# Altium PCB PCBmain.PcbDoc (part 2 of 2)
Units mil, origin at the board's own origin, x right, y up, seen from the top; angles counter-clockwise.
Board outline 4323.44 x 2625 mil, 2 copper layers (Top Layer, Bottom Layer); 89 components, 94 nets, 579 pads, 148 vias.
Unrouted connection lines stored in the file: 36.
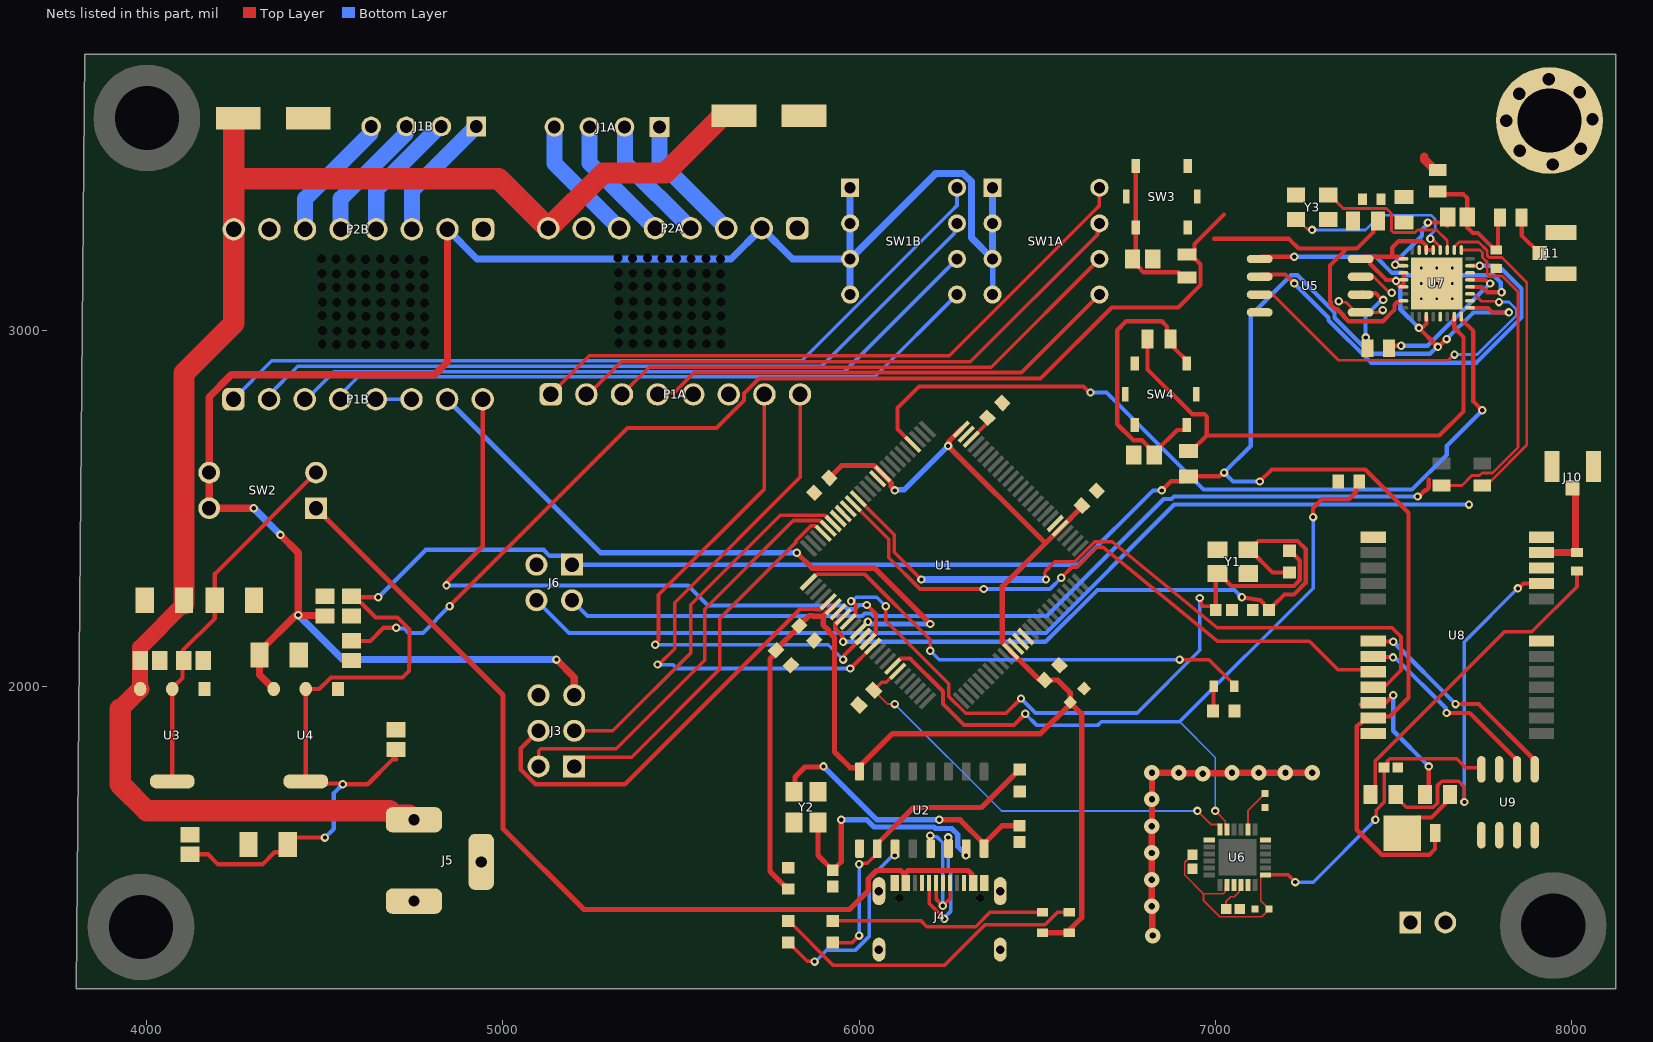
[diagram p2: the nets of this part, all layers, seen from the top]

## Via types
v1: diameter 23.62, hole 11.81, Top Layer to Bottom Layer, tented both sides, 90 vias
v2: diameter 50, hole 35, Top Layer to Bottom Layer, tented both sides, 32 vias
v3: diameter 43.31, hole 17.72, Top Layer to Bottom Layer, tented both sides, 13 vias
v4: diameter 19.68, hole 7.87, Top Layer to Bottom Layer, 13 vias

## Nets (pads, with @x,y where several pads share a name; then routed paths per layer and width w, separated by ;. In a path a pad name is that pad's centre, name@x,y a point inside that pad or via, vN(x,y) a via of type N, cw(c..) or ccw(c..) an arc to the next point about the centre after c; other vN are vias at no path point) (continued)
3V3: C20.1 C21.2 C22.2 C23.2 D1.2 J6.1 R11.1 R16.1 U4.2 U4.4 U5.8 U7.1 U7.3 U7.4 U7.5 U7.11 U7.17 U7.29 U7.30 U8.23 | length 8545.8
  Top Layer w11.81: C21.2@4120.6,1528.26 4171.74,1528.26 4200,1500 4325,1500 4359.12,1534.12 4375.83,1534.12 4395.6,1553.9 C20.1@4395.6,1555.82 4414.78,1575 v1(4500,1575) ; C23.2@4575,2252.56 C23.2@4577.56,2250 ; v1(4650,2250) C23.2@4577.56,2250 ; 4700,1794.85 4690.13,1794.85 4620.28,1725 v1(4550,1725) 4547.74,1727.26 4451.98,1727.26 U4.4@4446.3,1732.94 U4.2@4446.3,1992.39 4484.09,1992.39 4516.71,2025 4718.08,2025 4735.75,2042.67 4735.75,2060.75 4737.48,2062.48 4737.48,2159.64 4703.73,2193.38 4642.71,2193.38 4599.28,2236.81 4590.75,2236.81 C23.2@4577.56,2250 ; v1(6850,2550) 6875.79,2575.79 6911.22,2575.79 R11.1@6925,2589.57 7011.37,2589.57 7021.8,2600 v1(7025,2600) ; v1(7125,2575) 7159.06,2609.06 7421.33,2609.06 7542.89,2487.49 7542.89,1967.89 7490.13,1915.13 7465.07,1915.13 7460.37,1910.43 U8.23@7443.9,1910.43 ; U5.8@7408.46,3200 7429.87,3200 7435.33,3194.54 7435.33,3185.85 7480.59,3140.59 7505.69,3140.59 7507.85,3142.75 7510.11,3140.49 7510.11,3131.27 7519.71,3121.67 U7.5@7528.67,3121.67 U7.4@7528.67,3141.36 U7.3@7528.67,3161.05 ; U5.8@7413.78,3206.52 7426.21,3206.52 7493.87,3206.52 ; U8.23@7443.9,1910.75 7424.21,1910.75 7407.56,1894.09 7403.95,1894.09 7397.56,1887.71 7397.56,1597.25 7467.89,1526.92 7601.92,1526.92 7617.68,1542.68 D1.2@7617.68,1587.82 ; U7.1@7528.67,3200.42 7521.78,3200.42 7515.68,3206.52 7493.87,3206.52 ; U7.11@7592.65,3038.01 7593.51,3037.15 7593.51,3018.51 7583.78,3008.78 7574.31,3008.78 v1(7572.05,3006.52) v1@7620.69,2957.88 ; U7.29@7612.34,3225.02 U7.30@7592.65,3225.02 7591.67,3226.01 7591.67,3237.56 7579.52,3249.71 7515.24,3249.71 7497.05,3231.52 7497.05,3209.7 7493.87,3206.52 ; v1@7625.61,2957.88 7627.26,2956.23 7630.05,2956.23 7648.83,2975 v1(7650,2975) ; U7.17@7715.68,3062.62 7765.88,3062.62 7778.5,3050 v1(7825,3050)
  Bottom Layer w11.81: v1(4500,1575) 4525,1600 4525,1700 v1(4550,1725) ; v1(4650,2250) 4783.21,2383.21 5114.33,2383.21 5131.14,2366.4 5168.9,2366.4 J6.1@5193.9,2341.4 6616.4,2341.4 6825,2550 v1(6850,2550) ; v1(7125,2575) 7050,2575 v1(7025,2600) 7100,2675 7100,3041.6 7212.64,3154.23 7231.46,3154.23 7335.28,3050.41 7335.28,3034.93 7436.41,2933.8 7603.26,2933.8 7622.41,2952.95 v1(7625.61,2952.95) ; v1(7507.85,3138.33) 7507.85,3135.13 7519.76,3123.22 7519.76,3058.8 v1(7572.05,3006.52) ; v1(7650,2975) 7725,3050 v1(7825,3050)
6P: U1.15 U8.21 | length 2005.9
  Top Layer w10: U1.15@5999.51,2524.51 6098.81,2425.21 6098.81,2376.19 v1(6175,2300) ; v1(6525,2300) 6520.86,2313.02 6520.86,2317 6525,2325 6547.07,2347.07 6550,2350 6553.99,2350 6605.62,2350 6661.6,2405.98 6711.05,2405.98 7005.56,2164.23 7496.55,2164.23 7499.48,2161.3 7521.81,2138.97 7521.81,2044.89 7468.85,1991.92 U8.21@7433.08,1991.92
  Bottom Layer w20: v1(6175,2300) v1(6525,2300)
7P: U1.16 U8.20 | length 1776.6
  Top Layer w10: U1.16@5983.26,2512.92 6083.28,2412.9 6083.28,2360.87 6170.97,2273.19 v1(6350,2273.19) ; v1(6567.52,2304.65) 6597.87,2335 6611.83,2335 6667.81,2390.98 6680.58,2390.98 6684.15,2390.98 7005.78,2126.96 7264.58,2126.93 7267.5,2124.01 7344.98,2046.53 U8.20@7453.47,2046.53
  Bottom Layer w10: v1(6350,2273.19) 6536.05,2273.19 v1(6567.52,2304.65)
8P: U1.17
9P: U1.18
13P: LED1.1 U1.26 | length 1354.8
  Top Layer w10: U1.26@5857.98,2292.99 5859.27,2292.99 5880.4,2314.13 6016.72,2314.13 6200,2130.85 v1(6200,2100) ; v1(6900,2075) 6982.48,2075 7053.54,2003.94 LED1.1@7053.54,2000
  Bottom Layer w10: v1(6200,2100) 6225,2075 v1(6900,2075)
14P: U1.64
15P: U1.63
45P: P1A.8 U1.39 | length 1561.7
  Top Layer w10: v1(5434.07,2061.08) 5437.72,2061.08 5481.92,2105.28 5481.92,2234.55 5834.2,2586.83 P1A.8@5834.2,2819.74 ; v1(5975,2050) 5975.95,2050 6037.99,2112.04 U1.39@6038.94,2112.04
  Bottom Layer w10: v1(5434.07,2061.08) 5476.8,2061.08 5487.89,2050 v1(5975,2050)
46P: P1B.8 U1.38 | length 1900.6
  Top Layer w11.81: v1(4841.34,2283.26) 4843.6,2285.52 4843.6,2293.6 4943.15,2393.15 P1B.8@4943.15,2806 ; v1(6021.44,2228.19) 6021.81,2228.19 6047.06,2202.94 6047.06,2191.42 6047.58,2190.9 6047.58,2172.08 6047.06,2171.55 6047.06,2148 U1.38@6025.02,2125.96
  Bottom Layer w11.81: v1(4841.34,2283.26) 4841.38,2283.21 5520.08,2283.21 5576.01,2227.28 5957.1,2227.28 5968.1,2216.29 5986.92,2216.29 5999.19,2228.56 6021.06,2228.56 v1(6021.44,2228.19)
47P: P1A.7 U1.37 | length 1463.2
  Top Layer w10: v1(5427.35,2116.79) 5427.35,2120.04 5436.76,2129.46 5436.76,2256.81 5734.2,2554.24 P1A.7@5734.2,2819.74 ; v1(5955.2,2075) 5957.8,2077.61 5957.8,2086.59 U1.37@6011.1,2139.88
  Bottom Layer w10: v1(5427.35,2116.79) 5913.41,2116.79 v1(5955.2,2075)
48P: P1B.7 U1.36 | length 1796
  Top Layer w15: v1(5825,2375) 5868.37,2331.63 6043.37,2331.63 v1(6200,2175)
  Bottom Layer w15: P1B.7@4843.15,2806 5274.16,2375 v1(5825,2375) ; v1(6024.87,2181.49) 6027.2,2181.49 6033.69,2175 v1(6200,2175)
50P: J3.1 U1.22 | length 1073.9
  Top Layer w10: J3.1@5200,1775 5225.91,1800.91 5361.38,1800.91 5608.15,2047.67 5608.15,2190.06 5822.93,2404.84 5822.93,2408.49 5864.98,2450.54 5877.33,2450.54 5898.46,2429.4 U1.22@5899.74,2429.4
52P: J3.3 U1.20 | length 1067.8
  Top Layer w10: J3.3@5200,1875 5308.73,1875 5527.1,2093.37 5527.1,2228.59 5779.05,2480.54 5903,2480.54 U1.20@5927.58,2455.96
53P: U1.19
+3V3: C28.1 C30.2 C32.2 U6.8 U6.13 U9.8 | length 1422
  Top Layer w5: C30.2@6936.28,1526.66 6936.28,1525.87 6920.94,1510.54 6919,1510.54 6914.6,1506.15 6914.6,1470.01 6967.01,1417.6 ; U6.8@7032.76,1441.83 7028.37,1437.44 7028.37,1422.9 7023.07,1417.6 6967.01,1417.6 ; U6.13@7141.03,1470.38 7132.17,1470.38 7127.78,1465.99 7127.78,1397.77 C28.1@7151.58,1373.96 7130.63,1353.01 7012.64,1353.01 6967.01,1398.64 6967.01,1417.6
  Top Layer w10: U6.13@7141.03,1470.38 7204.62,1470.38 v1(7225,1450) ; v1(7450,1625) 7451.98,1626.98 7451.98,1651.81 7474.2,1674.03 7474.2,1771.62 7474.98,1771.62 7483.98,1780.61 7483.98,1790.95 7489.83,1796.81 7678.19,1796.81 7703.56,1771.44 7742.97,1771.44 U9.8@7747.53,1766.87
  Bottom Layer w10: v1(7225,1450) 7275,1450 v1(7450,1625)
+5: C18.1 C19.2 J3.5 P2A.2 P2B.2 pad.8@5323.41,3203.06 pad.8@5363.73,3201.73 pad.8@5405.86,3202.47 pad.8@5446.18,3201.14 pad.8@5487.81,3201.86 pad.8@5528.12,3200.53 pad.8@5570.26,3201.27 pad.8@5610.57,3199.94 SW1A.1 SW1A.2 SW1A.3 SW1A.4 SW1B.1 SW1B.2 SW1B.3 SW1B.4 SW2.3 SW2.4 U4.3 | length 5646.4
  Top Layer w20: v1(4300,2500) SW2.4@4175,2500 SW2.3@4175,2600 4175,2812.83 4237.17,2875 4808.38,2875 4844.09,2910.72 P2B.2@4844.09,3283.34 ; U4.3@4356.14,1992.39 4316.15,2032.38 C18.1@4316.15,2087.66 4316.15,2097.54 4417.92,2199.31 4424.31,2199.31 v1(4425,2200) ; v1(4375,2425) 4425,2375 v1(4425,2200) ; C19.2@4500,2197.44 4498.13,2199.31 4425.69,2199.31 v1(4425,2200) ; v1(5150,2075) 5200,2025 J3.5@5200,1975
  Bottom Layer w15: SW1A.4@6375,3100 SW1A.3@6375,3200
  Bottom Layer w20: v1(4300,2500) v1(4375,2425) ; v1(4425,2200) 4550,2075 v1(5150,2075) ; P2B.2@4844.09,3283.34 4927.43,3200 5640.75,3200 P2A.2@5726.83,3286.08 5812.91,3200 SW1B.3@5975,3200 ; SW1B.4@5975,3100 SW1B.3@5975,3200 ; SW1B.1@5975,3400 SW1B.2@5975,3300 SW1B.3@5975,3200 ; SW1A.1@6375,3400 SW1A.2@6375,3300 SW1A.3@6375,3200 6315.39,3259.61 6315.39,3416.73 6291.73,3440.39 6215.39,3440.39 SW1B.3@5975,3200
+5V: C5.1 C6.1 C7.1 C8.2 C9.1 C10.1 C12.1 LED2.1 LED3.1 U1.10 U1.31 U1.61 U1.80 U1.100 U2.16 | length 4459
  Top Layer w5: C10.1@6625.98,2504.21 C10.1@6625.98,2507.53
  Top Layer w15: C12.1@5801.08,1431.14 5799.11,1431.14 5750,1480.25 5750,2076.12 5766.88,2093 C7.1@5766.88,2101.07 5766.88,2103.16 5832.06,2168.35 C6.1@5832.06,2170.43 5860.5,2198.87 5868.9,2198.87 5870.9,2196.87 5899.25,2196.87 ; C5.1@5916.28,2585.05 5951.3,2620.07 6041.33,2620.07 6090.41,2570.99 6090.41,2561.92 6100,2552.33 v1(6100,2550) ; U1.31@5927.58,2223.4 5925.77,2223.4 5899.25,2196.87 ; U2.16@6001.08,1760.67 6001.08,1774.25 6093.7,1866.87 6509.63,1866.87 C8.2@6590.69,1947.93 ; U2.16@6001.08,1766.9 5996.38,1771.6 5975.16,1771.6 5930.89,1815.88 5930.89,2136.88 5914.97,2152.79 5914.97,2156.17 5899.25,2171.9 5899.25,2196.87 ; U1.100@6286.7,2721.71 6251.65,2686.66 6251.65,2676.65 v1(6250,2675) 6523.38,2401.62 ; LED3.1@6515.48,1308.24 6583.24,1308.24 6625,1350 6625,1922.5 C8.2@6592.71,1954.79 6592.71,1982.29 6557.5,2017.5 6535.45,2017.5 6534.05,2016.11 6522.39,2016.11 6519.61,2018.89 6505.13,2018.89 U1.61@6425.9,2098.12 6425.9,2099.93 6402.26,2123.57 6402.26,2280.49 6523.38,2401.62 ; C10.1@6625.98,2504.21 U1.80@6565.09,2443.32 6523.38,2401.62
  Bottom Layer w15: v1(6100,2550) 6101.65,2551.65 6126.65,2551.65 v1(6250,2675)
+12: C1A.1 C1B.1 C13.1 C14.2 J5.1 P2A.8 P2B.8 U3.3 | length 4468.4
  Top Layer w45: U3.3@3980.97,1992.55 C14.2@3980.97,2072.78 3980.97,2108.33 C13.1@4104.16,2231.52
  Top Layer w50: U3.3@3980.97,1992.55 U3.3@3981.14,1992.39
  Top Layer w52: 3925,1936.25 U3.3@3981.14,1992.39
  Top Layer w60: 3925,1936.25 3925,1725 4000,1650 4681.69,1650 4693.76,1637.93 4737.07,1637.93 J5.1@4750,1625 ; C13.1@4104.16,2231.52 C13.1@4104.16,2241.39 4104.16,2879.16 4244.09,3019.09 P2B.8@4244.09,3283.34 4244.09,3425 ; C1B.1@4256.46,3594.93 4253.09,3594.93 4244.09,3585.94 4244.09,3425 ; C1A.1@5648.25,3602.23 5616.76,3602.23 5455.91,3441.38 5282.13,3441.38 P2A.8@5126.83,3286.08 4987.91,3425 4244.09,3425
ANT: R18.1 | length 56.3
  Top Layer w25: 7587.21,3485.95 7587.21,3479.84 7617.05,3450 R18.1@7625,3450
B_BCKP: R19.1 U8.22 | length 427.2
  Top Layer w11.81: 7408.27,1948.62 7473.62,1948.62 v1(7500,1975) ; R19.1@7588.94,1696.46 7600,1707.52 v1(7600,1775)
  Bottom Layer w11.81: v1(7500,1975) 7500,1875 v1(7600,1775)
BOOT: R11.2 R15.2 U7.15 | length 1451.8
  Top Layer w11.81: R15.2@6810.04,2975 6810.04,2889.96 6935.91,2764.09 6969.61,2764.09 6976.53,2757.17 6976.53,2705.07 R11.2@6931.89,2660.43 ; R11.2@6925,2660.43 R11.2@6930.71,2660.43 ; 6977.36,2704.24 7629.24,2704.24 7697.05,2772.05 7697.05,2811.14 7697.05,2981.2 7671.39,3006.86 U7.15@7671.39,3038.01
BUZZER: J2.1
CLK: R10.2 U5.6 | length 196.2
  Top Layer w11.81: U5.6@7413.78,3106.52 7416.04,3104.26 7449.73,3104.26 7468.85,3085.14 v1(7472.05,3085.14)
  Bottom Layer w11.81: v1(7422.58,2979.76) 7422.05,2980.29 7422.05,3039.93 7461.35,3079.23 7462.95,3079.23 7468.85,3085.14 v1(7472.05,3085.14)
CMD: U5.1 U7.20 | length 824.9
  Top Layer w11.81: U5.1@7130.32,3206.52 v1(7222.05,3206.52) ; U7.20@7715.68,3121.67 7749.41,3121.67 7764.57,3106.52 v1(7804.25,3106.52)
  Bottom Layer w11.81: v1(7222.05,3206.52) 7450.97,3206.52 7496.44,3161.05 7524.65,3161.05 7531.61,3154.08 7675.79,3154.08 7675.95,3154.23 7781.46,3154.23 7801.99,3133.7 7801.99,3108.78 v1(7804.25,3106.52)
D0: U5.5 U7.22 | length 139.5
  Top Layer w7.87: v1(7347.05,3081.52) 7350.06,3078.5 7367.19,3078.5 7389.17,3056.52 7413.78,3056.52 7420.3,3050 7459.98,3050 7466.5,3056.52 v1(7470.76,3056.52)
D1: U5.2 U7.23 | length 1142.2
  Top Layer w11.81: U5.2@7130.32,3156.52 7197.05,3156.52 v1(7222.05,3131.52) ; U7.23@7715.68,3180.73 v1(7743.23,3180.73)
  Bottom Layer w11.81: v1(7222.05,3131.52) 7318.47,3035.09 7318.47,3027.97 7437.64,2908.8 7734.13,2908.8 7860.59,3035.26 7860.59,3116.54 7796.4,3180.73 v1(7743.23,3180.73)
D2: U5.7 U7.18 | length 103.2
  Top Layer w7.87: U5.7@7413.78,3156.52 7438.39,3156.52 7485.37,3109.53 7486.83,3109.53 7491.38,3104.99 v1(7495.64,3104.99)
D3: U5.3 U7.19 | length 987.3
  Top Layer w7.87: U5.3@7154.92,3106.52 7345.92,2915.52 7654.64,2915.52 7670.64,2931.52 v1(7672.05,2931.52) ; U7.19@7715.68,3101.99 7716.06,3101.61 7726.95,3101.61 7747.05,3081.52 7794.35,3081.52 v1(7797.05,3078.82)
  Bottom Layer w7.87: v1(7672.05,2931.52) 7735.86,2931.52 7845.75,3041.41 7845.75,3058.59 7825.53,3078.82 v1(7797.05,3078.82)
D+: J4.A6 J4.B6 U2.5 | length 401.8
  Top Layer w10: v1(6200,1580.69) 6200.54,1580.15 6200.54,1544.67 U2.5@6201.08,1544.13 ; J4.A6@6216.24,1447.68 6216.24,1402.68 6235.04,1383.88 v1(6235.04,1383.56) 6255.61,1404.13 J4.B6@6255.61,1447.68
  Bottom Layer w10: v1(6200,1580.69) 6202.61,1578.08 6217.3,1578.08 6235.04,1560.35 v1(6235.04,1383.56)
D-: J4.A7 J4.B7 U2.6 | length 389.3
  Top Layer w10: J4.B7@6196.55,1447.68 6196.55,1391.2 6239.41,1348.34 v1(6239.41,1346.91) ; v1(6250.54,1575.69) 6250.54,1544.67 U2.6@6251.08,1544.13
  Bottom Layer w10: v1(6239.41,1346.91) 6239.41,1349.95 6256.85,1367.39 6256.85,1482 6250.04,1488.81 6250.04,1575.19 v1(6250.54,1575.69)
E_RX: R13.2 U7.25 | length 931.4
  Top Layer w7.87: R13.2@7635.6,2563.82 7692.84,2563.82 7720.64,2591.62 7741.62,2591.62 7749.17,2599.17 7778.55,2599.17 7850,2670.62 7850,3107.91 7806,3151.91 7769.21,3151.91 7763.97,3157.15 7763.97,3190.91 7751.1,3203.78 7751.1,3217.84 7743.92,3225.02 U7.25@7691.08,3225.02
E_TX: R14.2 U7.26 | length 902.3
  Top Layer w7.87: U7.26@7671.39,3225.02 7671.39,3233.88 7685.25,3247.74 7739.41,3247.74 7763.97,3223.18 7763.97,3209.11 7769.21,3203.88 7805.34,3203.88 7875,3134.22 7875,2677.42 7774.36,2576.78 7762.96,2576.78 R14.2@7750,2563.82
EN: C24.2 R12.2 R16.2 U7.7 | length 4020.6
  Top Layer w11.81: C24.2@4575,2127.56 4627.87,2127.56 4664.6,2164.29 v1(4700,2164.29) ; v1(4850,2225) 5350,2725 5599.42,2725 5676.6,2802.18 5676.6,2822.1 5718.58,2864.09 6509.46,2864.09 6709.5,3064.13 6896.38,3064.13 6958.84,3126.59 6958.84,3185.16 R12.2@6931.2,3212.8 ; R12.2@6921.36,3212.8 R12.2@6931.2,3212.8 ; 6997.05,3256.52 7207.26,3256.52 7234.55,3229.23 7369.76,3229.23 ; 7025,3325 6942.03,3242.03 6942.03,3223.62 R12.2@6931.2,3212.8 ; R16.2@7457.48,3306.52 7443.7,3292.74 7443.7,3274.35 7398.58,3229.23 7369.76,3229.23 ; U7.7@7520.8,3081.32 7517.93,3078.45 7510.91,3078.45 7503.99,3071.53 7503.99,3057.62 7471.37,3025 7374.9,3025 7361.14,3038.76 7361.14,3040.59 7342.93,3058.8 7337.64,3058.8 7324.33,3072.11 7324.33,3079.23 7322.05,3081.52 7322.05,3181.52 7369.76,3229.23
  Bottom Layer w11.81: v1(4700,2164.29) 4702.26,2162.03 4723.4,2162.03 4735.43,2150 4775,2150 v1(4850,2225)
ESP_EX_ANT: J11.1 R21.1 | length 121.8
  Top Layer w11.81: R21.1@7860.65,3316.54 7860.65,3266.18 7910.46,3216.37 J11.1@7911.44,3216.37
GND: C1A.2 C1B.2 C2.1 C3.2 C4.1 C5.2 C6.2 C7.2 C8.1 C9.2 C10.2 C11.1 C12.2 C13.2 C14.1 C15.2 C16.1 C17.1 C18.2 C19.1 C20.2 C21.1 C22.1 C23.1 C24.1 C25.1 C26.1 C27.2 C28.2 C29.1 C30.1 C32.1 J2.2 J3.6 J4.A1_B12 J4.B1_A12 J4.S1 J4.S2 J4.S3 J4.S4 J5.2 J5.3 J6.3 J10.2 J10.3 J11.2 J11.3 L1.1 L2.1 P2A.1 P2A.7 P2B.1 P2B.7 pad.6@7938.5,3588.99 pad.8@4490.88,3200.69 pad.8@4491.72,3158.96 pad.8@4492.13,3121.2 pad.8@4492.23,3040.7 pad.8@4492.54,2961.48 pad.8@4492.96,3079.47 pad.8@4493.07,2998.97 pad.8@4531.2,3199.36 pad.8@4532.03,3157.63 pad.8@4532.44,3119.87 pad.8@4532.55,3039.37 pad.8@4533.28,3078.14 pad.8@4533.38,2997.64 pad.8@4573.33,3200.1 pad.8@4574.17,3158.37 pad.8@4574.58,3120.61 pad.8@4574.68,3040.11 pad.8@4574.99,2960.89 pad.8@4575.41,3078.88 pad.8@4575.52,2998.38 pad.8@4613.65,3198.77 pad.8@4614.48,3157.04 pad.8@4614.89,3119.28 pad.8@4615,3038.78 pad.8@4615.73,3077.55 pad.8@4615.83,2997.05 pad.8@4655.27,3199.49 pad.8@4656.11,3157.76 pad.8@4656.52,3120 pad.8@4656.62,3039.5 pad.8@4657.35,3078.27 pad.8@4657.46,2997.77 pad.8@4695.59,3198.16 pad.8@4696.43,3156.43 pad.8@4696.83,3118.67 pad.8@4696.94,3038.17 pad.8@4697.67,3076.94 pad.8@4697.78,2996.44 pad.8@4737.72,3198.9 pad.8@4738.56,3157.17 pad.8@4738.97,3119.41 pad.8@4739.07,3038.91 pad.8@4739.8,3077.68 pad.8@4739.91,2997.18 pad.8@4778.04,3197.57 pad.8@4778.88,3155.84 pad.8@4779.28,3118.08 pad.8@4779.39,3037.58 pad.8@4780.12,3076.35 pad.8@4780.23,2995.85 pad.8@5324.25,3161.33 pad.8@5324.66,3123.57 pad.8@5324.76,3043.07 pad.8@5325.6,3001.34 pad.8@5325.08,2963.85 pad.8@5325.49,3081.84 pad.8@5364.57,3160 pad.8@5364.97,3122.24 pad.8@5365.08,3041.74 pad.8@5365.39,2962.52 pad.8@5365.81,3080.51 pad.8@5365.92,3000.01 pad.8@5406.7,3160.74 pad.8@5407.11,3122.98 pad.8@5407.21,3042.48 pad.8@5407.53,2963.26 pad.8@5407.95,3081.25 pad.8@5408.05,3000.75 pad.8@5447.02,3159.41 pad.8@5447.42,3121.65 pad.8@5447.53,3041.15 pad.8@5447.84,2961.93 pad.8@5448.26,3079.92 pad.8@5448.37,2999.42 pad.8@5488.64,3160.13 pad.8@5489.05,3122.37 pad.8@5489.16,3041.87 pad.8@5489.47,2962.65 pad.8@5489.89,3080.64 pad.8@5489.99,3000.14 pad.8@5528.96,3158.8 pad.8@5529.36,3121.04 pad.8@5529.47,3040.54 pad.8@5529.78,2961.32 pad.8@5530.2,3079.31 pad.8@5530.31,2998.81 pad.8@5571.5,3121.78 pad.8@5571.09,3159.54 pad.8@5571.61,3041.28 pad.8@5571.92,2962.06 pad.8@5572.34,3080.05 pad.8@5572.44,2999.55 pad.8@5611.41,3158.21 pad.8@5611.81,3120.45 pad.8@5611.92,3039.95 pad.8@5612.23,2960.73 pad.8@5612.65,3078.72 pad.8@5612.76,2998.22 R2.1 R3.1 R4.1 R17.1 SW3.1 SW3.2 SW3.A SW3.A' SW4.1 SW4.2 SW4.A SW4.A' U1.11 U1.32 U1.62 U1.81 U1.99 U2.1 U3.1 U4.1 U5.4 U6.1 U6.9 U6.11 U6.18 U7.13 U7.33 U8.7 U8.10 U8.12 U8.13 U8.24 U9.1 U9.2 U9.3 U9.4 U9.7 Y1.2 Y1.4 Y2.2 Y2.4 Y3.2 Y3.4 | length 911
  Top Layer w17.72: v3(6822.31,1607.08) v3(6822.31,1532.08) v3(6822.31,1457.08) v3(6822.31,1382.08) 6823.65,1380.73 6823.65,1301.35 v3(6825,1300) ; v3(6822.31,1607.08) v3@6822.33,1682.51 ; v3(6822.35,1682.54) v3(6822.35,1757.54) v3(6897.35,1757.54) 6898.77,1756.12 6963.73,1756.12 v3(6965.14,1754.7) 6966.56,1756.12 7045.94,1756.12 v3(7047.35,1757.54) v3(7122.35,1757.54) v3(7197.35,1757.54) v3(7272.35,1757.54)
  other v2: 7948.18,3465.34 7855.73,3504.39 8026.28,3508.99 7817.25,3588.23 8059.59,3592.83 7854.01,3664.61 8023.98,3668.63 7936.12,3704.23
  other v4: 7578.87,3088.21 7622.18,3088.21 7665.49,3088.21 7578.87,3131.52 7622.18,3131.52 7665.49,3131.52 7578.87,3174.82 7622.18,3174.82 7665.49,3174.82
LNA: C31.2 L1.2 U7.2 | length 229.7
  Top Layer w11.81: v1(7505.85,3183.76) 7507.9,3181.71 7527.69,3181.71 U7.2@7528.67,3180.73 ; v1(7597.51,3302.27) 7643.68,3302.27 C31.2@7652.69,3293.25
  Bottom Layer w11.81: v1@7508.11,3192.58 7580.64,3265.11 7580.64,3282.2 7597.51,3299.07 v1(7597.51,3302.27)
MISO: J3.2 U1.21 | length 1218.7
  Top Layer w10: J3.2@5100,1775 5100,1819.14 5105.86,1825 5193.32,1825 5318.34,1825 5566.67,2073.33 5566.67,2216.67 5815.54,2465.54 5890.17,2465.54 5912.38,2443.32 U1.21@5913.66,2443.32
NetC2_2: C2.2 R1.2 U1.34 Y1.1 | length 2010.2
  Top Layer w10: U1.34@5969.34,2181.64 5969.34,2182.92 5990.48,2204.05 5990.48,2230.84 5989.36,2230.84 5981.19,2239 v1(5977.51,2239) ; v1(6075,2225) 6075,2183.98 6251.65,2007.34 6251.65,1971.49 6299.26,1923.87 6412.7,1923.87 v1(6454.64,1965.81) ; v1(6956.94,2248.02) 6963.43,2225 6989.78,2225 C2.2@7001.51,2214.18
  Top Layer w11.81: C2.2@7001.51,2214.18 7001.51,2311.35 Y1.1@7006.69,2316.54 7010.63,2316.54 7045.16,2282.01 7221.55,2282.01 7237.54,2298 7237.54,2352.77 7209.73,2380.58 R1.2@7208.68,2380.58
  Bottom Layer w10: v1(5977.51,2239) 5981.19,2239 5992.19,2250 6050,2250 v1(6075,2225) ; v1(6454.64,1965.81) 6495.45,1925 6780.85,1925 6956.94,2101.09 v1(6956.94,2248.02)
NetC3_1: C3.1 U1.98 | length 79
  Top Layer w10: U1.98@6314.54,2693.87 6360.6,2739.93 C3.1@6360.6,2753.84
NetC4_2: C4.2 R1.1 U1.33 Y1.3 | length 1915.9
  Top Layer w11.81: U1.33@5952.9,2197.1 5933.38,2177.58 5933.38,2160.42 5952.94,2140.86 5952.94,2127.26 v1(5955.2,2125) ; v1(7075,2250) 7126.7,2241.82 7133.09,2235.43 7139.9,2225.01 C4.2@7150.72,2214.18 7161.55,2225.01 7194.56,2258.02 7221.34,2258.02 7254.36,2291.04 7254.36,2385.19 7231.16,2408.39 7121.88,2408.39 7114.96,2401.47 7114.96,2401.18 Y1.3@7097.24,2383.46 ; Y1.3@7093.31,2383.46 Y1.3@7097.24,2383.46 ; R1.1@7208.68,2319.42 7161.29,2319.42 Y1.3@7097.24,2383.46
  Bottom Layer w11.81: v1(5955.2,2125) 6523.77,2125 6669.51,2270.74 7053.98,2270.74 7074.71,2250 v1(7075,2250)
NetC11_2: C11.2 U2.7 Y2.1 | length 734
  Top Layer w15: Y2.1@5884.55,1617.36 5884.55,1524.84 C11.2@5926.08,1483.31 5950,1507.23 v1@5950,1624.32 ; v1(6300,1525) 6301.08,1526.08 U2.7@6301.08,1544.13
  Bottom Layer w15: v1(5950,1625) 6021.72,1625 6041.72,1605 6210.07,1605 6214.38,1600.69 6259.92,1600.69 6277.14,1583.47 6277.14,1550.2 6300,1527.33 v1(6300,1525)
NetC17_2: C17.2 U2.8 Y2.3 | length 810.1
  Top Layer w15: Y2.3@5817.62,1703.98 5820.25,1706.61 5820.25,1745.25 5848.35,1773.35 5898.35,1773.35 v1(5900,1775) ; v1(6225,1625) 6283.8,1625 U2.8@6351.08,1557.72 ; U2.8@6351.08,1544.13 U2.8@6351.08,1557.72 ; C17.2@6451.08,1608.31 6401.67,1608.31 U2.8@6351.08,1557.72
  Bottom Layer w15: v1(5900,1775) 6050,1625 v1(6225,1625)
NetC25_2: C25.2 R12.1 SW3.B SW3.B' | length 444.3
  Top Layer w11.81: SW3.B'@6777.17,3461.61 SW3.B@6777.17,3288.39 6777.17,3209.25 C25.2@6767.91,3200 6767.91,3195.08 6792.01,3170.98 6792.01,3169.34 6798.83,3162.52 6896.83,3162.52 6911.52,3147.83 R12.1@6921.36,3147.83
NetC26_2: C26.2 R15.1 SW4.B SW4.B' | length 817.8
  Top Layer w11.81: R15.1@6875,2975 6865.13,2984.87 6865.13,3009.87 6850,3025 6750,3025 6725,3000 6725,2735.94 6770.14,2690.8 6794.3,2690.8 6812.8,2672.31 6812.8,2665.75 C26.2@6828.54,2650 6828.54,2654.92 6893.34,2719.72 6914.13,2719.72 6920.03,2725.63 SW4.B'@6920.03,2733.5 ; R15.1@6885.83,2974.02 6885.83,2948.81 6920.03,2914.6 SW4.B@6920.03,2906.73
NetC27_1: C27.1 U6.20 | length 121.2
  Top Layer w5: U6.20@7091.81,1597.34 7091.81,1650.76 C27.1@7139.77,1698.72
NetC29_2: C29.2 U6.10 | length 90.5
  Top Layer w5: C29.2@7030.71,1374.68 7030.71,1396.35 7043.53,1409.17 7054.01,1409.17 7067.74,1422.9 7067.74,1437.44 U6.10@7072.13,1441.83
NetC31_1: C31.1 L2.2 R18.2 R21.2 | length 375.7
  Top Layer w11.81: R18.2@7625,3388.82 7632.3,3381.52 7697.05,3381.52 7707.81,3370.76 C31.1@7707.81,3318.25 7707.81,3288.33 7723.56,3272.58 7738.34,3272.58 7785.51,3225.42 L2.2@7789.45,3225.42 7794.46,3230.42 7794.46,3311.53 R21.2@7799.47,3316.54
NetD1_1: D1.1 R19.2 | length 186.9
  Top Layer w11.81: D1.1@7524.97,1587.82 7569.06,1631.92 7607.3,1631.92 7646.02,1670.65 7646.02,1682.68 R19.2@7659.8,1696.46
NetJ1A_1: J1A.1 P2A.3 | length 362
  Bottom Layer w45: J1A.1@5439.67,3570.57 5439.67,3473.24 P2A.3@5626.83,3286.08
NetJ1A_2: J1A.2 P2A.4 | length 361.4
  Bottom Layer w45: J1A.2@5341.24,3570.57 5342.26,3569.56 5342.26,3470.65 P2A.4@5526.83,3286.08
NetJ1A_3: J1A.3 P2A.5 | length 360.7
  Bottom Layer w45: J1A.3@5242.82,3570.57 5242.82,3470.09 P2A.5@5426.83,3286.08
NetJ1A_4: J1A.4 P2A.6 | length 360.1
  Bottom Layer w45: J1A.4@5144.39,3570.57 5144.39,3468.52 P2A.6@5326.83,3286.08
NetJ1B_1: J1B.1 P2B.3 | length 363.9
  Bottom Layer w45: P2B.3@4744.09,3283.34 4744.09,3391.02 J1B.1@4925.25,3572.17
NetJ1B_2: J1B.2 P2B.4 | length 367.2
  Bottom Layer w45: P2B.4@4644.09,3283.34 4644.09,3394.09 4817.11,3567.11 4819.02,3567.11 4824.08,3572.17 J1B.2@4826.82,3572.17
NetJ1B_3: J1B.3 P2B.5 | length 365.2
  Bottom Layer w45: P2B.5@4544.09,3283.34 4544.09,3369.09 4726.46,3551.46 4726.46,3570.24 J1B.3@4728.4,3572.17
NetJ1B_4: J1B.4 P2B.6 | length 365.8
  Bottom Layer w45: P2B.6@4444.09,3283.34 4444.09,3369.09 4628.03,3553.03 4628.03,3570.24 J1B.4@4629.97,3572.17
NetJ4_A5: J4.A5
NetJ4_B5: J4.B5
NetL3_2: L3.2 R20.2 | length 912.8
  Top Layer w10: R20.2@7436.22,1696.46 7449.06,1709.29 7449.06,1789.75 7812.33,2153.03 7889.3,2153.03 8016.08,2279.81 L3.2@8016.08,2324.02
NetLED1_2: LED1.2 R4.2 | length 70.6
  Top Layer w11.81: R4.2@6993.57,1930.59 6995.01,1932.03 6995.01,1998.56 LED1.2@6996.46,2000
NetLED2_2: LED2.2 R6.2 | length 902.1
  Top Layer w10: R6.2@5801.08,1341.25 5802.13,1341.25 5926.18,1217.2 6240.64,1217.2 6353.49,1330.05 6521.9,1330.05 6557.18,1365.33 LED2.2@6590.48,1365.33
NetLED3_2: LED3.2 R5.2 | length 612.8
  Top Layer w10: R5.2@5926.08,1341.25 6173.99,1341.25 6190.14,1325.1 6327.32,1325.1 6367.55,1365.33 LED3.2@6515.48,1365.33
NetP1A_1: P1A.1 SW1A.8 | length 1810.5
  Top Layer w10: P1A.1@5134.2,2819.74 5242.35,2927.89 6252.94,2927.89 6639.61,3314.55 6639.61,3314.66 6660.34,3335.39 6660.45,3335.39 6675,3349.95 SW1A.8@6675,3400
NetP1A_2: P1A.2 SW1A.7 | length 1655
  Top Layer w10: P1A.2@5234.2,2819.74 5240.38,2819.74 5331.75,2911.1 6312.2,2911.1 6669.49,3268.39 6669.49,3294.49 SW1A.7@6675,3300
NetP1A_3: P1A.3 SW1A.6 | length 1498.3
  Top Layer w10: P1A.3@5334.2,2819.74 5410.56,2896.1 6371.1,2896.1 SW1A.6@6675,3200
NetP1A_4: P1A.4 SW1A.5 | length 1356.9
  Top Layer w10: P1A.4@5434.2,2819.74 5439.38,2824.92 5480.69,2824.92 5536.88,2881.1 6456.1,2881.1 SW1A.5@6675,3100
NetP1A_5: P1A.5 P1A.6
NetP1B_1: P1B.1 pad.8@4532.86,2960.15 pad.8@4615.31,2959.56 pad.8@4656.94,2960.28 pad.8@4697.25,2958.95 pad.8@4739.39,2959.69 pad.8@4779.7,2958.37 SW1B.8 | length 2307.3
  Bottom Layer w10: P1B.1@4243.15,2806 4351.03,2913.88 5838.94,2913.88 6239.61,3314.55 6239.61,3314.66 6260.34,3335.39 6260.45,3335.39 6275,3349.95 SW1B.8@6275,3400
NetP1B_2: P1B.2 SW1B.7 | length 2155.8
  Bottom Layer w10: P1B.2@4343.15,2806 4343.15,2818.15 4423.88,2898.88 5894.7,2898.88 6267.2,3271.38 6267.2,3292.2 SW1B.7@6275,3300
NetP1B_3: P1B.3 SW1B.6 | length 1995
  Bottom Layer w10: P1B.3@4443.15,2806 4448.39,2806 4526.27,2883.88 5958.88,2883.88 SW1B.6@6275,3200
NetP1B_4: P1B.4 SW1B.5 | length 1860.7
  Bottom Layer w10: P1B.4@4543.15,2806 4543.15,2818.15 4593.88,2868.88 6043.88,2868.88 SW1B.5@6275,3100
NetP1B_5: P1B.5 P1B.6 | length 100
  Bottom Layer w10: P1B.5@4643.15,2806 P1B.6@4743.15,2806
NetR5_1: R5.1 R7.2 U2.2 | length 859.4
  Top Layer w10: R5.1@5926.08,1280.09 5980.09,1280.09 v1(6000,1300) ; v1(6000,1500) 6002.61,1502.61 6023.14,1502.61 6051.08,1530.55 U2.2@6051.08,1544.13
  Top Layer w15: U2.2@6051.08,1544.13 6051.08,1557.72 6153,1659.63 6343.41,1659.63 6450.03,1766.25 R7.2@6451.08,1766.25
  Bottom Layer w10: v1(6000,1300) v1(6000,1500)
NetR6_1: R6.1 U2.3 | length 538.7
  Top Layer w10: R6.1@5801.08,1280.09 5802.13,1280.09 5854.61,1227.61 5874.2,1227.61 v1(5875,1226.81)
  Bottom Layer w10: v1(5875,1226.81) 5876.81,1226.81 5909.29,1259.29 5990.13,1259.29 6028.09,1297.24 6028.09,1457.98 6092.51,1522.39 6097.39,1522.39 v1(6100,1525)
NetR7_1: R7.1
NetR10_1: R10.1 U7.21 | length 419.8
  Top Layer w11.81: R10.1@7488.34,2949.3 7495.56,2956.52 v1(7522.05,2956.52) ; U7.21@7715.68,3141.36 7758.66,3141.36 7768.85,3131.16 v1(7772.05,3131.16)
  Bottom Layer w11.81: v1(7522.05,2956.52) 7597.05,2956.52 7724.33,3083.8 7724.33,3084.03 7748.16,3107.86 7748.39,3107.86 7771.69,3131.16 v1(7772.05,3131.16)
NetR17_2: R17.2 U7.31
NetR20_1: R20.1 U8.9 | length 1054.2
  Top Layer w10: R20.1@7507.09,1696.46 7507.09,1689.57 7536.77,1659.88 7612.77,1659.88 7624.37,1671.49 7624.37,1721.43 7635.98,1733.03 7683.63,1733.03 7700,1716.66 v1(7700,1675) ; v1(7850,2275) 7852.2,2275 7865.9,2288.7 U8.9@7916.34,2288.7
  Bottom Layer w10: v1(7700,1675) 7700,2125 v1(7850,2275)
NetU1_4: U1.4 U7.16 | length 2292.3
  Top Layer w11.81: U1.4@6150.29,2679.95 6108.19,2722.06 6108.19,2781.96 6168.04,2841.81 6629.99,2841.81 6646.8,2825 v1(6650,2825) ; U7.16@7692.06,3030.14 7725,2997.2 7725,2800 v1(7750,2775)
  Bottom Layer w11.81: v1(6650,2825) 6694.94,2825 6967.66,2552.28 7552.83,2552.28 7650.28,2649.74 7650.28,2675.28 v1(7750,2775)
REG_5V: C15.1 C16.2 SW2.2 U3.2 U3.4 | length 1035
  Top Layer w11.81: U3.4@4071.3,1732.94 U3.2@4071.3,1992.39 4071.3,1996.3 4075,2000 4076.31,2000 4100,2023.69 4100,2100 4190.81,2190.81 C15.1@4190.81,2241.39 4190.81,2315.81 SW2.2@4475,2600
Reset: J3.4 U1.30 | length 1224.3
  Top Layer w11.81: J3.4@5100,1875 5050,1825 5050,1765.87 5090.87,1725 5342.66,1725 5834.94,2217.28 5876.52,2217.28 5878.52,2215.28 5891.62,2215.28 U1.30@5913.66,2237.32
RF_IN: J10.1 L3.1 U8.11 | length 286.7
  Top Layer w10: U8.11@7916.34,2375.31 U8.11@7917.01,2375.98
  Top Layer w20: U8.11@7917.01,2375.98 8005.43,2375.98 L3.1@8016.08,2375.98 8014.72,2375.98 8012.12,2378.58 8012.12,2548.91 J10.1@8004.11,2556.92
RX_ESP: J6.2 | length 2601.4
  Top Layer w11.81: v1(7568.46,2532.87) 7571.66,2532.87 7589.29,2550.49 7592.93,2550.49 7599.85,2557.41 7599.85,2580.39
  Bottom Layer w11.81: J6.2@5193.9,2241.4 5237.58,2197.72 6008.97,2197.72 6015.46,2204.2 6034.28,2204.2 6040.77,2197.72 6527.14,2197.72 6855.45,2526.03 6877.25,2526.03 6884.1,2532.87 v1(7568.46,2532.87)
SCL: R2.2 U1.43 U6.23 | length 2228.7
  Top Layer w5: v1(7000,1650) 7028.37,1621.63 7028.37,1601.73 U6.23@7032.76,1597.34
  Top Layer w11.81: U1.43@6094.62,2056.36 6116.66,2078.4 6143.45,2078.4 6235.74,1986.11 6235.74,1949.9 6294.46,1891.18 6435.16,1891.18 v1(6466.79,1922.81) ; v1(7275,2475) 7275,2500 7300.4,2525.4 7375.4,2525.4 7396.33,2546.33 7396.33,2566.8 R2.2@7404.53,2575
  Bottom Layer w5: 6900,1900 7000,1800 v1(7000,1650)
  Bottom Layer w10: v1(6466.79,1922.81) 6498.43,1891.18 6671.1,1891.18 6679.92,1900 6900,1900 7275,2275 v1(7275,2475)
SCL_GPS: U8.19 U9.6 | length 556.4
  Top Layer w11.81: U8.19@7443.9,2083.98 7445.28,2082.59 7498.1,2082.59 v1(7499.48,2081.21) ; v1(7650,1925) 7715,1925 7847.53,1792.46 U9.6@7847.53,1766.87
  Bottom Layer w11.81: v1(7499.48,2081.21) 7502.68,2081.21 7508.58,2075.31 7510.68,2075.31 7647.74,1938.24 7647.74,1927.26 v1(7650,1925)
SDA: R3.2 U1.44 U6.24 | length 1228.7
  Top Layer w5: R3.2@6041.5,1989.22 6080.69,1950.04 v1(6100,1950) v1(6100,1950) ; v1(6950,1650) 6988.42,1611.58 7008.68,1611.58 7013.07,1607.19 U6.24@7013.07,1597.34
  Top Layer w10: R3.2@6041.5,1989.22 6063.56,2011.28 6076.72,2011.28 6107.89,2042.44 U1.44@6108.53,2042.44
  Bottom Layer w5: v1(6100,1950) 6400,1650 v1(6950,1650)
SDA_GPS: U8.18 U9.5 | length 617.9
  Top Layer w11.81: U8.18@7443.9,2127.28 7445.04,2126.14 7498.86,2126.14 v1(7500,2125) ; v1(7675,1950) 7740,1950 7897.53,1792.46 U9.5@7897.53,1766.87
  Bottom Layer w11.81: v1(7500,2125) v1(7675,1950)
TX_ESP: J6.4 | length 2805.8
  Bottom Layer w11.81: J6.4@5093.9,2241.4 5185.3,2150 6525,2150 6885.15,2510.15 v1(7712.7,2510.15)
USBC_5V: J4.A4_B9 J4.B4_A9 SW2.1 | length 2632
  Top Layer w15: SW2.1@4475,2500 5000,1975 5000,1600 5227.03,1372.97 5972.97,1372.97 6025.59,1425.59 6025.59,1459.01 6049.19,1482.62 6117.08,1482.62 6127.28,1472.42 6137.48,1482.62 6306.06,1482.62 6316.26,1472.42 6316.26,1451.99 J4.B4_A9@6320.57,1447.68
XTAL_IN: U7.28 Y3.1 | length 528.1
  Top Layer w7.87: Y3.1@7226.77,3310.66 7231.69,3310.66 7257.82,3284.53 7269.03,3284.53 v1(7272.05,3281.52) ; v1(7604.51,3256.85) 7607.52,3253.84 7612.07,3253.84 7632.02,3233.88 U7.28@7632.02,3225.02
  Bottom Layer w7.87: v1(7272.05,3281.52) 7422.42,3281.52 7463.91,3323.01 7606.1,3323.01 7618.26,3310.86 7618.26,3281.74 v1@7598.94,3262.42
XTAL_OUT: U7.27 Y3.3 | length 448.8
  Top Layer w7.87: Y3.3@7317.32,3379.56 7322.24,3379.56 7359.73,3342.07 7480.83,3342.07 7495.24,3327.65 7495.24,3279.19 7500.48,3273.96 7561.03,3273.96 7568.59,3281.52 7622.05,3281.52 7651.71,3251.86 U7.27@7651.71,3225.02
pads on no net: J4. J4.A8 J4.B8 U1.1 U1.5 U1.6 U1.7 U1.8 U1.9 U1.12 U1.13 U1.14 U1.23 U1.24 U1.25 U1.27 U1.28 U1.29 U1.35 U1.40 U1.41 U1.42 U1.45 U1.46 U1.47 U1.48 U1.49 U1.50 U1.51 U1.52 U1.53 U1.54 U1.55 U1.56 U1.57 U1.58 U1.59 U1.60 U1.65 U1.66 U1.67 U1.68 U1.69 U1.70 U1.71 U1.72 U1.73 U1.74 U1.75 U1.76 U1.77 U1.78 U1.79 U1.82 U1.83 U1.84 U1.85 U1.86 U1.87 U1.88 U1.89 U1.90 U1.91 U1.92 U1.93 U1.94 U1.95 U1.96 U1.97 U2.4 U2.9 U2.10 U2.11 U2.12 U2.13 U2.14 U2.15 U6.2 U6.3 U6.4 U6.5 U6.6 U6.7 U6.12 U6.14 U6.15 U6.16 U6.17 U6.19 U6.21 U6.22 U6.25 U7.6 U7.8 U7.9 U7.10 U7.12 U7.14 U7.24 U7.32 U8.1 U8.2 U8.3 U8.4 U8.5 U8.6 U8.8 U8.14 U8.15 U8.16 U8.17
copper on no net: | length 2097.4
  Top Layer w25: 7700,3450 7775,3450 7814.88,3489.88
  Top Layer w30: 7000,3475 7000,3500 7000,3689.66 7120.17,3689.66 7120.17,3550 7240.95,3550 7240.95,3694.77 7360.1,3694.77 7360.1,3544.77 7475,3544.77 7475,3700 7700,3700 ; 7587.21,3485.95 7587.21,3697.58
  Top Layer w40: 7700,3450 7700,3700
  other v2: 3993.31,1200.79 7959.12,1204.18 3900.85,1239.84 7866.66,1243.23 4071.4,1244.44 8037.21,1247.83 3862.38,1323.68 7828.19,1327.07 4104.71,1328.28 8070.52,1331.67 3899.13,1400.06 7864.94,1403.45 4069.11,1404.08 8034.92,1407.47 3981.25,1439.68 7947.06,1443.07 4009.48,3471.95 3917.03,3511 4087.58,3515.6 3878.55,3594.84 4120.89,3599.44 3915.31,3671.22 4085.28,3675.24 3997.42,3710.84
  other v4: 7040.63,1497.93 7083.94,1497.93 7040.63,1541.24 7083.94,1541.24

## Polygon pours and split planes (outlines as drawn)
GND on Top Layer "GND_L01_P002" (solid, pour order 2): 3801.56,1150 8125,1150 8125,3775 3825,3775

## Other copper
Top Layer:
  pour cut-out: 6965.37,3773.01 7740.37,3773.01 7740.37,3398.01 6965.37,3398.01
  region net 3V3: 6918.74,1448.28 6921.43,1448.28 6958.02,1411.69 6958.02,1372.77 6966.45,1364.34 6995.5,1364.34 7004.11,1372.95 7000.7,1376.36 7000.7,1424.24 6990.3,1434.65 6967.16,1434.65 6959.99,1441.82 6939.72,1462.08 6914.62,1462.08 6911.57,1459.04 6911.57,1451.32
  region net 3V3: 7560.12,3020.68 7560.12,2939.5 7568.24,2931.38 7652.75,2931.38 7652.75,2932.21 7674.61,2954.07 7674.61,2989.45 7667.11,2996.95 7610.29,2996.95 7610.29,2997.16 7602.17,3005.28 7602.17,3052.11 7598.84,3055.44 7586.56,3055.44 7580.94,3049.82 7582.6,3048.16 7582.6,3023.39 7580.1,3020.89 7563.45,3020.89
  region net 3V3: 7478.97,3130.98 7495.35,3130.98 7514.99,3111.35 7515.1,3111.45 7545.91,3111.45 7545.91,3167.22 7542.12,3171.02 7479.73,3171.02 7475.71,3167.01 7475.71,3135.22

## Silkscreen, mask and mechanical layers (free items; w line width, h text height)
Top Overlay:
  drawing of 111 lines, arcs and shapes, not listed
  text "STEPPING CONTROL" at 5914.72,3566.67 h59.06
  text "RESET" at 6784.08,3503.48 h45
  text "STEPPER MOTOR ALT" at 4541.11,3439.55 h45
  text "STEPPER MOTOR AZ" at 5054.81,3437.11 h45
  text "THE 5TH DIMENSION" at 8059.93,3426.17 h60 r270
  text "WiFi" at 7066.27,3347 h45
  text "V2" at 3963.28,3324.25 h60
  text "STEPPER" at 3823.95,2989.24 h98.43
  text "DRIVERS" at 4813.69,2988.11 h98.43
  text "A4988" at 5638.69,2988.11 h98.43
  text "STEPPING ALT" at 5979.39,2961.88 h45
  text "STEPPING AZ" at 6404.24,2961.39 h45
  text "WIFI ESP8266EX" at 6941.9,2789.9 h59.06
  text "BOOT" at 6620.67,2729.86 h45
  text "DC IN" at 4558.93,2595.3 h45
  text "Telescope Mount /   Evaluation Board V2" at 4778.25,2559.27 h85
  text "USB 5V" at 4558.03,2486.33 h45
  text "16 MHz" at 6854.56,2417.99 h80
  text "POWER FILTER" at 4140.92,2383.68 h45
  text "UART" at 5312.32,2185.08 h60 r90
  text "PROGRAMMING / INTERFACE" at 5392.92,2185.08 h45 r90
  text "ATmega2560 8-bit Microcontroller" at 6215.89,1924.83 h30 r45
  text "MEMS SENSOR" at 6980.52,1802.44 h57.09
  text "12 MHz" at 5661.58,1724.81 h80
  text "SPI" at 5312.95,1713.23 h60 r90
  text "PROGRAMMING / INTERFACE" at 5393.55,1713.23 h45 r90
  text "GPS MODULE" at 8072.95,1536.12 h62.99 r90
  text "BUZZER" at 7461.37,1441 h45
  text "TX" at 6604.3,1412.41 h45 r90
  text "RX" at 6530.39,1409.42 h45 r90
  text "GPS locating module" at 8057.11,1360.5 h30 r90
  text "MPU 9250 Accelerometer/Gyroscope/ Magnetometer" at 6810.68,1222.48 h30 r90
  text "DC IN" at 4557.34,1203.12 h45 r90
  text "USB C" at 6414.08,1169.14 h45
Top Solder:
  lines w30: 6825,1300 6822.13,1302.87 6822.13,1752.87 6819.99,1755.01 7274.71,1755.01 7275,1755.29 ; 7000,3475 7000,3689.66 7120.17,3689.66 7120.17,3550 7240.35,3550 7240.35,3694.18 7240.95,3694.77 7360.1,3694.77 7360.1,3544.77 7475,3544.77 7475,3700 7584.79,3700 7587.21,3697.58 ; 7587.21,3485.95 7587.21,3699.71 7587.5,3700 7700,3700
  lines w40: 7700,3450 7700,3700

## Text inside footprints (layer, text, board x,y; h text height)
J4: Mechanical 13 "PCB EDGE" at 6430.8,1185.86 h24
P1A: Top Overlay "1" at 5129.47,2886.67 h30; Top Overlay "8" at 5819.24,2886.67 h30
P1B: Top Overlay "8" at 4928.19,2872.93 h30; Top Overlay "1" at 4238.43,2872.93 h30
P2A: Top Overlay "8" at 5141.79,3219.15 h30 r180; Top Overlay "1" at 5831.55,3219.15 h30 r180
P2B: Top Overlay "1" at 4948.82,3216.41 h30 r180; Top Overlay "8" at 4259.05,3216.41 h30 r180